# Altium PCB LimeSDR-X3_1v2.PcbDoc (part 13 of 25) (continued)
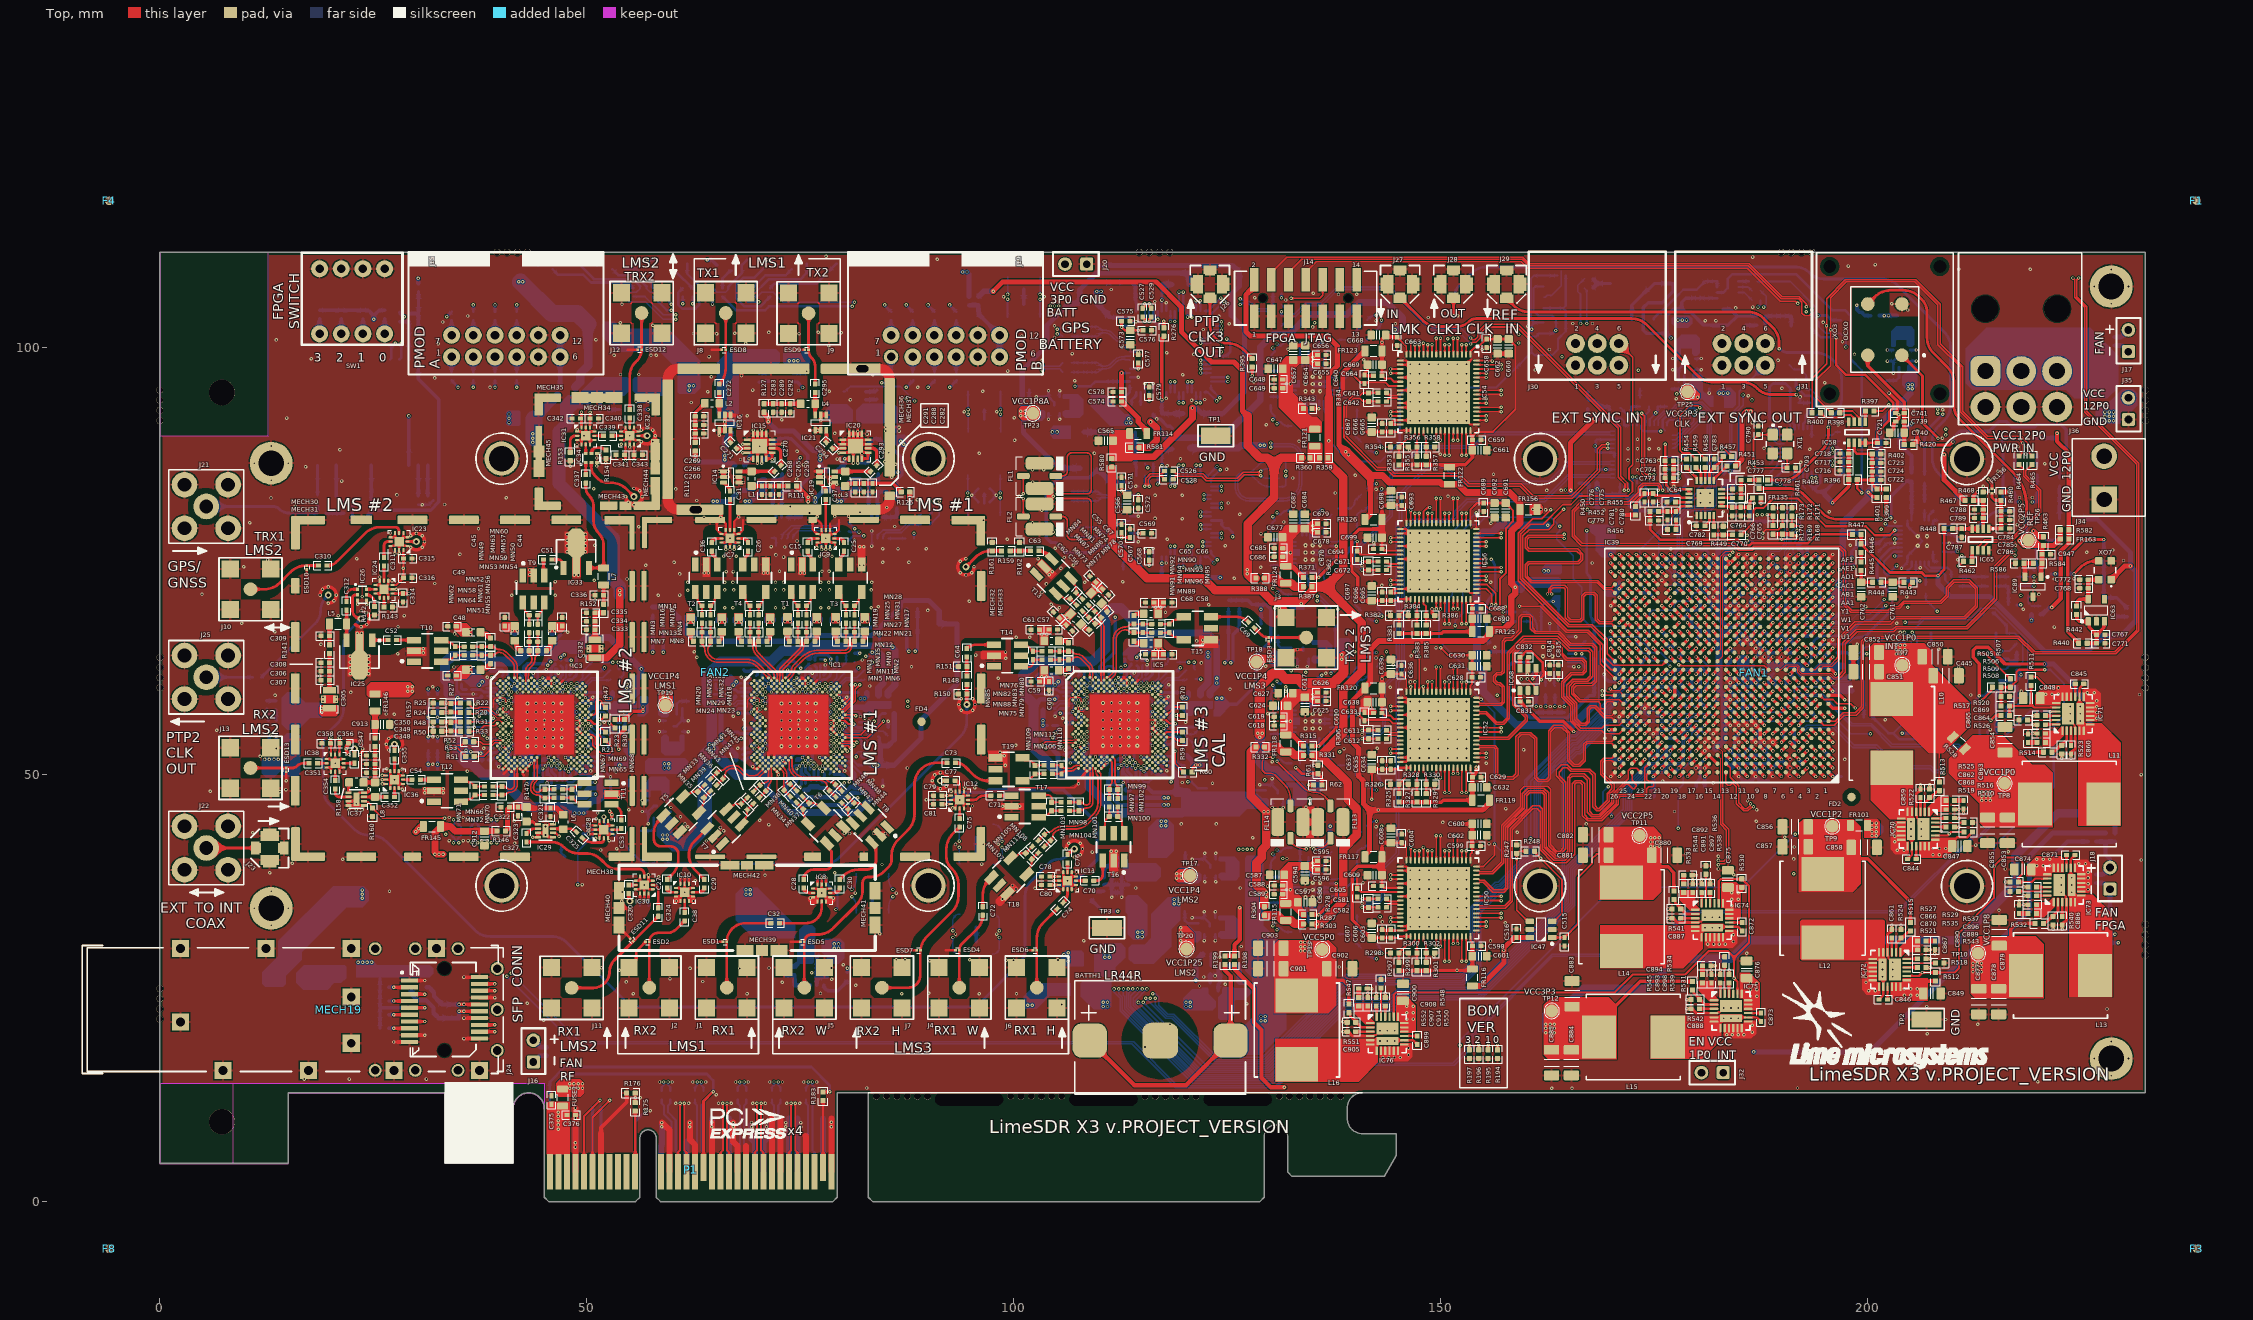
[diagram p0: Top view]
## Nets (pads, with @x,y where several pads share a name; then routed paths per layer and width w, separated by ;. In a path a pad name is that pad's centre, name@x,y a point inside that pad or via, vN(x,y) a via of type N, cw(c..) or ccw(c..) an arc to the next point about the centre after c; other vN are vias at no path point) (continued)
  Bottom w0.254: IC48.58@123.078,81.253 v1(124.303,81.253)
LMS2_BB_DAC1_B9_P: IC39.T2 IC48.57 | length 123.8
  Top w0.4: IC39.T2@194.375,65.275 v1(194.875,65.775)
  L4 w0.1: v1(124.303,81.753) 124.245,81.753 124.095,81.603 123.753,81.603 123.475,81.325 123.475,80.725 123.85,80.35 125.575,80.35 126.45,81.225 130.513,81.225 130.942,81.225 132.95,79.217 132.95,73.292 133.475,72.767 133.475,71.1 133.075,70.7 133.075,69.25 133.5,68.825 138.258,68.825 138.5,69.067 138.5,73.45 138.9,73.85 139.925,73.85 140.75,73.025 140.75,71.642 142.609,69.784 147.868,69.784 148.784,70.7 154.726,70.7 155.326,71.3 161.983,71.3 163.608,72.925 165.417,72.925 cw(c165.417,72.71) 165.632,72.71 165.632,70.728 ccw(c166.047,70.728) 166.047,70.313 166.117,70.313 ccw(c166.117,70.728) 166.532,70.728 166.532,72.71 cw(c166.747,72.71) 166.747,72.925 166.817,72.925 cw(c166.817,72.71) 167.032,72.71 167.032,72.128 ccw(c167.447,72.128) 167.447,71.713 167.517,71.713 ccw(c167.517,72.128) 167.932,72.128 167.932,72.71 cw(c168.147,72.71) 168.147,72.925 168.633,72.925 169.375,73.667 169.375,74.938 169.562,75.125 173.183,75.125 173.525,75.467 173.525,75.92 173.73,76.125 174.02,76.125 174.3,75.845 174.3,75.542 174.692,75.15 178.083,75.15 178.475,75.542 178.475,76.273 178.652,76.45 182.95,76.45 183.2,76.2 183.2,75.514 183.589,75.125 184.127,75.125 184.3,74.952 184.3,74.492 184.617,74.175 196.1,74.175 196.775,74.85 197.294,74.85 197.608,74.536 197.608,73.433 199.075,71.966 199.075,66.45 198,65.375 195.275,65.375 v1(194.875,65.775)
  Bottom w0.254: IC48.57@123.078,81.753 v1(124.303,81.753)
LMS2_BB_DAC1_B10_N: IC39.P1 IC48.56 | length 123.8
  Top w0.4: IC39.P1@195.375,63.275 v1(195.875,63.775)
  L4 w0.1: v1(122.253,82.253) 122.194,82.253 122.044,82.403 121.586,82.403 121.125,81.942 121.125,81.483 121.305,81.303 122.62,81.303 124.107,82.79 130.168,82.79 130.808,82.15 132.326,82.15 133.55,80.926 133.55,73.866 134.075,73.341 134.075,70.483 135.133,69.425 137.025,69.425 137.75,70.15 137.75,73.833 139.492,75.575 140.975,75.575 141.5,75.05 141.5,71.9 143,70.4 147.636,70.4 148.536,71.3 154.478,71.3 155.353,72.175 157.975,72.175 158.45,72.65 162.15,72.65 163.125,73.625 168.425,73.625 168.725,73.925 168.725,76.296 169.154,76.725 173.691,76.725 174.041,77.075 184.442,77.075 185.525,75.992 185.525,75.63 185.83,75.325 195.917,75.325 196.017,75.425 196.02,75.425 196.225,75.63 196.225,75.633 196.517,75.925 199.233,75.925 199.55,75.608 199.55,73 199.55,72.584 199.95,72.184 199.95,70.575 200.74,69.785 200.74,69.282 199.775,68.317 199.775,65.216 198.734,64.175 196.275,64.175 v1(195.875,63.775)
  Bottom w0.254: v1(122.253,82.253) IC48.56@123.078,82.253
LMS2_BB_DAC1_B10_P: IC39.R1 IC48.55 | length 123.8
  Top w0.4: IC39.R1@195.375,64.275 v1(195.875,64.775)
  L4 w0.1: v1(122.253,82.753) 122.194,82.753 122.044,82.603 121.503,82.603 120.925,82.025 120.925,81.4 121.222,81.103 122.703,81.103 124.19,82.59 130.085,82.59 130.725,81.95 132.243,81.95 133.35,80.843 133.35,73.783 133.875,73.258 133.875,70.4 135.05,69.225 137.108,69.225 137.95,70.067 137.95,73.75 139.575,75.375 140.892,75.375 141.3,74.967 141.3,71.817 142.917,70.2 147.719,70.2 148.619,71.1 154.561,71.1 155.436,71.975 158.058,71.975 158.533,72.45 162.233,72.45 163.208,73.425 168.508,73.425 168.925,73.842 168.925,76.213 169.237,76.525 173.774,76.525 174.124,76.875 184.359,76.875 185.325,75.909 185.325,75.547 185.747,75.125 196,75.125 196.1,75.225 196.103,75.225 196.425,75.547 196.425,75.55 196.6,75.725 199.15,75.725 199.35,75.525 199.35,72.917 199.35,72.501 199.75,72.101 199.75,70.492 200.54,69.702 200.54,69.365 199.575,68.4 199.575,65.299 198.651,64.375 196.275,64.375 v1(195.875,64.775)
  Bottom w0.254: v1(122.253,82.753) IC48.55@123.078,82.753
LMS2_BB_DAC1_B11_N: IC39.T3 IC48.54 | length 123.7
  Top w0.4: IC39.T3@193.375,65.275 v1(193.875,64.775)
  L4 w0.1: v1(124.303,83.253) 124.362,83.253 124.512,83.403 129.997,83.403 130.875,82.525 132.267,82.525 136.525,78.267 136.525,75.25 134.65,73.375 134.65,70.191 135.216,69.625 136.942,69.625 137.4,70.083 137.4,73.766 139.409,75.775 141.067,75.775 141.7,75.142 141.7,72.585 143.685,70.6 147.553,70.6 148.15,71.197 148.15,71.892 148.408,72.15 153.358,72.15 155.208,74 155.8,74 156.925,72.875 160.425,72.875 162.175,74.625 166.633,74.625 168.933,76.925 173.608,76.925 173.958,77.275 184.525,77.275 185.675,76.125 199.316,76.125 199.825,75.616 199.825,72.725 200.225,72.325 200.225,70.717 200.94,70.002 200.94,69.199 199.975,68.234 199.975,65.133 198.267,63.425 193.7,63.425 193.475,63.65 193.475,64.375 v1(193.875,64.775)
  Bottom w0.254: IC48.54@123.078,83.253 v1(124.303,83.253)
LMS2_BB_DAC1_B11_P: IC39.T4 IC48.53 | length 124.7
  Top w0.4: IC39.T4@192.375,65.275 v1(192.875,64.775)
  L4 w0.1: v1(124.303,83.753) 124.362,83.753 124.512,83.603 130.08,83.603 130.958,82.725 132.35,82.725 136.725,78.35 136.725,75.167 134.85,73.292 134.85,70.274 135.299,69.825 136.859,69.825 137.2,70.166 137.2,73.849 139.326,75.975 141.15,75.975 141.9,75.225 141.9,72.668 143.768,70.8 147.47,70.8 147.95,71.28 147.95,71.975 148.325,72.35 153.275,72.35 155.125,74.2 155.883,74.2 157.008,73.075 160.342,73.075 162.092,74.825 166.55,74.825 168.85,77.125 173.525,77.125 173.875,77.475 184.608,77.475 185.758,76.325 199.399,76.325 200.025,75.699 200.025,72.808 200.425,72.408 200.425,70.8 201.14,70.085 201.14,69.116 200.175,68.151 200.175,65.05 198.35,63.225 193.617,63.225 193.275,63.567 193.275,64.375 v1(192.875,64.775)
  Bottom w0.254: IC48.53@123.078,83.753 v1(124.303,83.753)
LMS2_BB_DAC1_B12_N: IC39.L4 IC48.52 | length 123.5
  Top w0.4: IC39.L4@192.375,60.275 v1(192.875,59.775)
  L4 w0.1: v1(124.153,85.703) 124.112,85.662 123.899,85.662 123.717,85.479 123.717,84.958 123.972,84.703 124.503,84.703 125.653,85.853 125.975,86.175 129.075,86.175 131.422,83.828 133.422,83.828 135.175,82.075 136.233,82.075 136.7,81.608 136.7,80.225 139.075,77.85 140.63,77.85 145.08,73.4 146.5,73.4 146.8,73.7 146.8,74.133 147.217,74.55 153.375,74.55 153.75,74.925 153.75,78.058 154.067,78.375 155.808,78.375 156.888,77.295 156.888,75.853 157.78,74.961 159.353,74.961 160.342,75.95 166.275,75.95 168.275,77.95 172.542,77.95 172.867,78.275 185.291,78.275 185.441,78.425 185.45,78.425 185.65,78.625 186.15,78.625 187.6,77.175 194.225,77.175 195.825,78.775 197.1,78.775 197.95,77.925 199.621,77.925 201,76.546 201,73.358 202.35,72.008 202.35,70.833 202.75,70.433 202.75,69.592 201.025,67.867 201.025,63.466 199.434,61.875 198.6,61.875 198.325,62.15 194.433,62.15 194.25,61.967 194.25,61.308 194.5,61.058 194.5,60.467 194.208,60.175 193.275,60.175 v1(192.875,59.775)
  Bottom w0.254: IC48.52@123.078,84.253 123.078,84.628 v1(124.153,85.703)
LMS2_BB_DAC1_B12_P: IC39.M4 IC48.51 | length 123.4
  Top w0.4: IC39.M4@192.375,61.275 v1(192.875,60.775)
  L4 w0.1: v1@123.799,86.057 123.758,86.015 123.758,85.803 123.517,85.562 123.517,85.169 123.517,84.875 123.889,84.503 124.586,84.503 124.827,84.744 126.058,85.975 128.992,85.975 131.339,83.628 133.339,83.628 135.092,81.875 136.15,81.875 136.5,81.525 136.5,80.142 138.992,77.65 140.547,77.65 144.997,73.2 146.583,73.2 147,73.617 147,74.05 147.3,74.35 153.458,74.35 153.95,74.842 153.95,77.975 154.15,78.175 155.725,78.175 156.688,77.212 156.688,75.77 157.697,74.761 159.436,74.761 160.425,75.75 166.358,75.75 168.358,77.75 172.625,77.75 172.95,78.075 185.374,78.075 185.524,78.225 185.533,78.225 185.733,78.425 186.067,78.425 187.517,76.975 194.308,76.975 195.908,78.575 197.017,78.575 197.867,77.725 199.538,77.725 200.8,76.463 200.8,73.275 202.15,71.925 202.15,70.75 202.55,70.35 202.55,69.675 200.825,67.95 200.825,63.549 199.351,62.075 198.683,62.075 198.408,62.35 194.35,62.35 194.05,62.05 194.05,61.225 194.3,60.975 194.3,60.791 194.3,60.55 194.125,60.375 193.275,60.375 v1(192.875,60.775)
  Bottom w0.254: IC48.51@122.328,85.003 122.703,85.003 v1(123.778,86.078)
LMS2_BB_DAC1_B13_N: IC39.J3 IC48.50 | length 123.7
  Top w0.4: IC39.J3@193.375,58.275 v1(193.875,58.775)
  L4 w0.1: v1(121.828,86.228) 121.828,86.17 121.678,86.02 121.678,85.525 121.903,85.3 122.425,85.3 122.625,85.5 122.625,86.608 123.089,87.072 131.331,87.072 136.536,87.072 141.05,82.558 141.05,81.842 140.125,80.917 140.125,79.725 140.4,79.45 142.352,79.45 143.027,78.775 144.308,78.775 145.258,77.825 146.491,77.825 146.8,78.134 146.8,79.283 147.192,79.675 150.65,79.675 152.375,81.4 156.983,81.4 160.633,77.75 162.35,77.75 163.325,78.725 165.625,78.725 166.075,79.175 172.07,79.175 172.895,80 199.724,80 202.475,77.249 202.475,74.117 203.875,72.717 203.875,71.55 204.175,71.25 204.175,69.025 202.375,67.225 202.375,62.575 199.475,59.675 196.8,59.675 196.3,59.175 194.275,59.175 v1(193.875,58.775)
  Bottom w0.254: IC48.50@121.828,85.003 v1(121.828,86.228)
LMS2_BB_DAC1_B13_P: IC39.K3 IC48.49 | length 123.4
  Top w0.4: IC39.K3@193.375,59.275 v1(193.875,59.775)
  L4 w0.1: v1(121.328,86.228) 121.328,86.17 121.478,86.02 121.478,85.442 121.82,85.1 122.508,85.1 122.825,85.417 122.825,85.592 122.825,86.525 123.172,86.872 131.331,86.872 136.453,86.872 140.85,82.475 140.85,81.925 139.925,81 139.925,79.642 140.317,79.25 142.269,79.25 142.944,78.575 144.225,78.575 145.175,77.625 146.574,77.625 147,78.051 147,79.2 147.275,79.475 150.733,79.475 152.458,81.2 156.9,81.2 160.55,77.55 162.433,77.55 163.408,78.525 165.708,78.525 166.158,78.975 172.153,78.975 172.978,79.8 199.641,79.8 202.275,77.166 202.275,74.034 203.675,72.634 203.675,71.467 203.975,71.167 203.975,69.108 202.175,67.308 202.175,62.658 199.392,59.875 196.717,59.875 196.217,59.375 194.275,59.375 v1(193.875,59.775)
  Bottom w0.254: IC48.49@121.328,85.003 v1(121.328,86.228)
LMS2_BB_DAC1_B14_N: IC39.J1 IC48.48 | length 124.9
  Top w0.4: IC39.J1@195.375,58.275 195.875,57.775 v1(197.275,57.775)
  L4 w0.1: v1(120.828,84.278) 120.828,84.219 120.678,84.069 120.678,83.678 120.175,83.175 119.617,83.175 119.2,83.592 119.2,84.808 120.525,86.133 120.525,86.325 120.525,86.69 121.306,87.472 121.672,87.472 136.778,87.472 141.7,82.55 141.7,81.708 143.508,79.9 146.575,79.9 146.875,80.2 149.125,80.2 150.925,82 174.558,82 175.308,81.25 181.967,81.25 182.142,81.425 200.783,81.425 203.058,79.15 203.369,79.15 204.45,78.069 204.45,76.433 205,75.883 205,72.6 205.8,71.8 205.8,71.784 205.8,68.9 205.8,64.766 199.209,58.175 197.675,58.175 v1(197.275,57.775)
  Bottom w0.254: v1(120.828,84.278) IC48.48@120.828,85.003 IC48.48@120.828,85.103
LMS2_BB_DAC1_B14_P: IC39.K1 IC48.47 | length 123.6
  Top w0.4: IC39.K1@195.375,59.275 196.775,59.275 v1(197.275,58.775)
  L4 w0.1: v1(120.328,84.278) 120.328,84.219 120.478,84.069 120.478,83.761 120.092,83.375 119.7,83.375 119.4,83.675 119.4,84.725 120.725,86.05 120.725,86.608 121.389,87.272 121.75,87.272 122.197,86.825 122.53,86.825 122.977,87.272 131.437,87.272 136.695,87.272 141.5,82.467 141.5,81.625 143.425,79.7 146.658,79.7 146.958,80 149.208,80 151.008,81.8 174.475,81.8 175.225,81.05 182.05,81.05 182.225,81.225 200.7,81.225 202.975,78.95 203.286,78.95 204.25,77.986 204.25,76.35 204.8,75.8 204.8,72.517 205.6,71.717 205.6,68.9 205.6,64.849 199.126,58.375 197.675,58.375 v1(197.275,58.775)
  Bottom w0.254: v1(120.328,84.278) IC48.47@120.328,85.103
LMS2_BB_DAC1_B15_N: IC39.H1 IC48.46 | length 124.3
  Top w0.4: IC39.H1@195.375,57.275 v1(195.875,56.775)
  L4 w0.1: v1(119.828,86.228) 119.828,86.17 119.678,86.02 119.678,85.678 119.4,85.4 118.8,85.4 118.425,85.775 118.425,86.925 119.372,87.872 137.861,87.872 139.808,85.925 144.208,85.925 146.808,83.325 160.75,83.325 161.575,82.5 201.025,82.5 201.208,82.5 204.85,78.858 204.85,76.708 205.6,75.958 205.6,72.566 206.2,71.966 206.2,71.95 206.2,64.6 198.775,57.175 196,57.175 195.875,57.05 v1(195.875,56.775)
  Bottom w0.254: IC48.46@119.828,85.003 v1(119.828,86.228)
LMS2_BB_DAC1_B15_P: IC39.H2 IC48.45 | length 124.6
  Top w0.4: IC39.H2@194.375,57.275 v1(194.875,56.775)
  L4 w0.1: v1(119.328,86.228) 119.328,86.17 119.478,86.02 119.478,85.761 119.317,85.6 118.883,85.6 118.625,85.858 118.625,86.842 119.455,87.672 137.778,87.672 139.725,85.725 144.125,85.725 146.725,83.125 160.667,83.125 161.492,82.3 201.125,82.3 204.65,78.775 204.65,76.625 205.4,75.875 205.4,72.483 206,71.883 206,71.867 206,64.683 198.692,57.375 195.78,57.375 195.23,57.925 195.025,57.925 194.875,57.775 v1(194.875,56.775)
  Bottom w0.254: IC48.45@119.328,85.003 v1(119.328,86.228)
LMS2_BB_DAC1_CLK_N: C526.2 R490.2 R491.2 | length 13.2
  Top w0.2: C526.2@118.65,85.564 118.993,85.221 122.129,85.221 122.65,84.7 126.151,84.7 126.851,85.4 128.784,85.4 v1(128.884,85.5)
  Bottom w0.2: v1(128.884,85.5) cw(c129.608,84.776) 129.608,85.8 R491.2@129.975,85.8 R490.2@131.075,85.8
LMS2_BB_DAC1_CLK_P: C528.2 R486.2 R489.2 | length 13.2
  Top w0.2: C528.2@118.65,84.577 118.993,84.921 122.005,84.921 122.526,84.4 126.275,84.4 126.975,85.1 128.784,85.1 v1(128.884,85)
  Bottom w0.2: v1(128.884,85) ccw(c129.608,85.724) 129.608,84.7 R489.2@129.975,84.7 R486.2@131.075,84.7
LMS2_BB_DAC1_PD: IC39.M26 IC48.40 | length 95.8
  Top w0.15: v1(159.2,69.725) 161.625,69.725 164.7,66.65 167.15,66.65 168.675,65.125 168.675,62.975 IC39.M26@170.375,61.275
  L8 w0.1: v1(116.828,84.028) 117.812,85.012 121.612,85.012 130.3,93.7 137.65,93.7 145.875,101.925 153.87,101.925 154.3,101.495 154.3,82.925 157.775,79.45 157.775,71.15 v1(159.2,69.725)
  Bottom w0.254: v1(116.828,84.028) IC48.40@116.828,85.003
LMS2_BB_DAC1_SELIQ_N: IC39.M5 IC48.44 | length 124.7
  Top w0.4: IC39.M5@191.375,61.275 v1(191.875,60.775)
  L4 w0.1: v1(118.828,83.778) 118.828,83.719 118.678,83.569 118.678,83.003 117.325,81.65 111.7,81.65 110.675,80.625 110.675,79.72 ccw(c110.845,79.72) 110.845,79.55 111.672,79.55 cw(c111.672,79.18) 112.042,79.18 112.042,79.12 cw(c111.672,79.12) 111.672,78.75 109.478,78.75 ccw(c109.478,78.58) 109.308,78.58 109.308,78.52 ccw(c109.478,78.52) 109.478,78.35 111.672,78.35 cw(c111.672,77.98) 112.042,77.98 112.042,77.92 cw(c111.672,77.92) 111.672,77.55 109.478,77.55 ccw(c109.478,77.38) 109.308,77.38 109.308,77.32 ccw(c109.478,77.32) 109.478,77.15 111.672,77.15 cw(c111.672,76.78) 112.042,76.78 112.042,76.72 cw(c111.672,76.72) 111.672,76.35 110.845,76.35 ccw(c110.845,76.18) 110.675,76.18 110.675,74.05 116.275,68.45 116.284,68.45 116.459,68.275 118.264,68.275 119.089,67.45 122.722,67.45 123.572,66.6 130.689,66.6 131.489,65.8 140.947,65.8 141.222,65.525 141.283,65.525 153.808,65.525 155.933,63.4 163.367,63.4 163.767,63.8 166.867,63.8 168.075,65.008 168.075,65.85 169.6,67.375 182.258,67.375 182.975,66.658 182.975,65.683 182.975,64.173 184.5,62.648 184.5,61.575 184.675,61.4 186.125,61.4 186.275,61.55 186.275,62.008 186.642,62.375 191.083,62.375 191.475,61.983 191.475,61.175 v1(191.875,60.775)
  Bottom w0.254: v1(118.828,83.778) IC48.44@118.828,85.003
LMS2_BB_DAC1_SELIQ_P: IC39.M6 IC48.43 | length 124.7
  Top w0.4: IC39.M6@190.375,61.275 v1(190.875,60.775)
  L4 w0.1: v1(118.328,83.778) 118.328,83.719 118.478,83.569 118.478,83.086 117.242,81.85 111.617,81.85 110.475,80.708 110.475,79.72 ccw(c110.845,79.72) 110.845,79.35 111.672,79.35 cw(c111.672,79.18) 111.842,79.18 111.842,79.12 cw(c111.672,79.12) 111.672,78.95 109.478,78.95 ccw(c109.478,78.58) 109.108,78.58 109.108,78.52 ccw(c109.478,78.52) 109.478,78.15 111.672,78.15 cw(c111.672,77.98) 111.842,77.98 111.842,77.92 cw(c111.672,77.92) 111.672,77.75 109.478,77.75 ccw(c109.478,77.38) 109.108,77.38 109.108,77.32 ccw(c109.478,77.32) 109.478,76.95 111.672,76.95 cw(c111.672,76.78) 111.842,76.78 111.842,76.72 cw(c111.672,76.72) 111.672,76.55 110.845,76.55 ccw(c110.845,76.18) 110.475,76.18 110.475,73.967 116.192,68.25 116.201,68.25 116.376,68.075 118.181,68.075 119.006,67.25 122.639,67.25 123.489,66.4 130.606,66.4 131.406,65.6 140.864,65.6 141.139,65.325 141.2,65.325 153.725,65.325 155.85,63.2 163.45,63.2 163.85,63.6 166.95,63.6 168.275,64.925 168.275,65.767 169.683,67.175 182.175,67.175 182.775,66.575 182.775,64.091 184.3,62.566 184.3,61.492 184.592,61.2 186.208,61.2 186.475,61.467 186.475,61.925 186.725,62.175 191,62.175 191.275,61.9 191.275,61.175 v1(190.875,60.775)
  Bottom w0.254: v1(118.328,83.778) IC48.43@118.328,85.003
LMS2_BB_DAC2_B0_N: IC39.D6 IC49.9 | length 197.1
  Top w0.4: v1(189.875,52.775) IC39.D6@190.375,53.275
  L4 w0.1: v1(118.328,96.003) 118.328,95.944 118.478,95.794 118.478,95.353 118.3,95.175 117.75,95.175 117.175,95.75 117.175,96.6 116.9,96.875 116.05,96.875 115.175,97.75 115.175,98.361 115.575,98.761 115.575,99.125 115.175,99.525 115.175,100.2 115.45,100.475 115.45,101.275 115.175,101.55 115.175,102.225 115.45,102.5 120.784,102.5 123.35,105.066 123.35,105.625 122.65,106.325 122.65,106.625 122.85,106.825 168.955,106.825 cw(c168.955,106.655) 169.125,106.655 169.125,105.825 ccw(c169.495,105.825) 169.495,105.455 169.555,105.455 ccw(c169.555,105.825) 169.925,105.825 169.925,106.655 cw(c170.095,106.655) 170.095,106.825 170.155,106.825 cw(c170.155,106.655) 170.325,106.655 170.325,105.825 ccw(c170.695,105.825) 170.695,105.455 170.755,105.455 ccw(c170.755,105.825) 171.125,105.825 171.125,106.655 cw(c171.295,106.655) 171.295,106.825 171.355,106.825 cw(c171.355,106.655) 171.525,106.655 171.525,105.825 ccw(c171.895,105.825) 171.895,105.455 171.955,105.455 ccw(c171.955,105.825) 172.325,105.825 172.325,106.655 cw(c172.495,106.655) 172.495,106.825 173.45,106.825 175.275,105 176.637,105 177.537,104.1 188.519,104.1 215.05,77.569 215.05,68.836 217.315,66.571 217.315,63.315 216.8,62.8 216.8,56.096 207.479,46.775 191.071,46.775 190.021,47.825 188.825,47.825 188.475,48.175 188.475,52.95 188.7,53.175 189.475,53.175 v1(189.875,52.775)
  Bottom w0.254: IC49.9@118.328,94.778 v1(118.328,96.003)
LMS2_BB_DAC2_B0_P: IC39.E6 IC49.8 | length 198.3
  Top w0.4: v1(189.875,53.775) IC39.E6@190.375,54.275
  L4 w0.1: v1(118.828,96.003) 118.828,95.944 118.678,95.794 118.678,95.27 118.383,94.975 117.667,94.975 114.975,97.667 114.975,102.308 115.367,102.7 120.701,102.7 123.15,105.149 123.15,105.542 122.45,106.242 122.45,106.708 122.767,107.025 168.955,107.025 cw(c168.955,106.655) 169.325,106.655 169.325,105.825 ccw(c169.495,105.825) 169.495,105.655 169.555,105.655 ccw(c169.555,105.825) 169.725,105.825 169.725,106.655 cw(c170.095,106.655) 170.095,107.025 170.155,107.025 cw(c170.155,106.655) 170.525,106.655 170.525,105.825 ccw(c170.695,105.825) 170.695,105.655 170.755,105.655 ccw(c170.755,105.825) 170.925,105.825 170.925,106.655 cw(c171.295,106.655) 171.295,107.025 171.355,107.025 cw(c171.355,106.655) 171.725,106.655 171.725,105.825 ccw(c171.895,105.825) 171.895,105.655 171.955,105.655 ccw(c171.955,105.825) 172.125,105.825 172.125,106.655 cw(c172.495,106.655) 172.495,107.025 173.533,107.025 175.358,105.2 176.72,105.2 177.62,104.3 188.602,104.3 215.25,77.652 215.25,68.919 217.515,66.654 217.515,63.232 217,62.717 217,56.013 207.562,46.575 190.988,46.575 189.938,47.625 188.742,47.625 188.275,48.092 188.275,49.275 188.275,53.033 188.617,53.375 189.475,53.375 v1(189.875,53.775)
  Bottom w0.254: IC49.8@118.828,94.778 v1(118.828,96.003)
LMS2_BB_DAC2_B1_N: IC39.G7 IC49.7 | length 197.6
  Top w0.4: IC39.G7@189.375,56.275 v1(189.875,55.775)
  L4 w0.1: v1(119.328,93.553) 119.328,93.611 119.478,93.761 119.478,94.097 119.025,94.55 119.025,95.2 119.5,95.675 120.161,95.675 120.661,95.175 121.5,95.175 121.975,95.65 125.279,95.65 126.458,95.65 126.8,95.308 126.8,92.642 126.458,92.3 122.95,92.3 121.825,91.175 118.275,91.175 117.6,90.5 117.6,89.966 118.391,89.175 123.175,89.175 124.45,90.45 139.525,90.45 140.575,89.4 145.034,89.4 145.375,89.059 145.375,87.441 147.616,85.2 148.034,85.2 ccw(c148.034,85.415) 148.249,85.415 148.249,87.801 cw(c148.664,87.801) 148.664,88.216 148.734,88.216 cw(c148.734,87.801) 149.149,87.801 149.149,85.415 ccw(c149.364,85.415) 149.364,85.2 149.434,85.2 ccw(c149.434,85.415) 149.649,85.415 149.649,86.703 cw(c150.064,86.703) 150.064,87.118 150.134,87.118 cw(c150.134,86.703) 150.549,86.703 150.549,85.415 ccw(c150.764,85.415) 150.764,85.2 150.834,85.2 ccw(c150.834,85.415) 151.049,85.415 151.049,86.833 cw(c151.464,86.833) 151.464,87.248 151.534,87.248 cw(c151.534,86.833) 151.949,86.833 151.949,85.415 ccw(c152.164,85.415) 152.164,85.2 152.234,85.2 ccw(c152.234,85.415) 152.449,85.415 152.449,86.635 cw(c152.864,86.635) 152.864,87.05 152.934,87.05 cw(c152.934,86.635) 153.349,86.635 153.349,85.415 ccw(c153.564,85.415) 153.564,85.2 153.634,85.2 ccw(c153.634,85.415) 153.849,85.415 153.849,87.801 cw(c154.264,87.801) 154.264,88.216 154.334,88.216 cw(c154.334,87.801) 154.749,87.801 154.749,85.415 ccw(c154.964,85.415) 154.964,85.2 155.342,85.2 155.825,85.683 155.825,87.908 156.417,88.5 159.125,88.5 159.325,88.7 159.325,90 159.725,90.4 160.359,90.4 160.725,90.034 160.725,89.575 160.975,89.325 162.35,89.325 162.525,89.5 162.525,90.09 162.835,90.4 163.558,90.4 164.025,89.933 164.025,85.5 164.225,85.3 165.559,85.3 167.366,85.3 168.866,86.8 170.217,86.8 170.767,87.35 171.192,87.775 191.224,87.775 191.624,87.375 198.508,87.375 208.25,77.633 208.25,76.1 209,75.35 209,62.392 205.483,58.875 204.858,58.875 204.45,58.467 204.45,56.817 202.208,54.575 201.217,54.575 200.617,55.175 199.908,55.175 199.308,54.575 198.667,54.575 198.092,55.15 197.675,55.15 197.1,54.575 196.57,54.575 195.995,55.15 194.575,55.15 193.95,55.775 192.525,55.775 192.125,56.175 190.275,56.175 v1(189.875,55.775)
  Bottom w0.254: v1(119.328,93.553) IC49.7@119.328,94.778
LMS2_BB_DAC2_B1_P: IC39.H7 IC49.6 | length 197.1
  Top w0.4: IC39.H7@189.375,57.275 v1(189.875,56.775)
  L4 w0.1: v1(119.828,93.553) 119.828,93.611 119.678,93.761 119.678,94.18 119.225,94.633 119.225,95.117 119.583,95.475 120.078,95.475 120.578,94.975 121.583,94.975 122.058,95.45 126.375,95.45 126.6,95.225 126.6,92.725 126.375,92.5 122.867,92.5 121.742,91.375 118.192,91.375 117.4,90.583 117.4,89.525 117.95,88.975 123.258,88.975 124.533,90.25 139.442,90.25 140.492,89.2 144.951,89.2 145.175,88.976 145.175,87.358 147.533,85 148.034,85 ccw(c148.034,85.415) 148.449,85.415 148.449,87.801 cw(c148.664,87.801) 148.664,88.016 148.734,88.016 cw(c148.734,87.801) 148.949,87.801 148.949,85.415 ccw(c149.364,85.415) 149.364,85 149.434,85 ccw(c149.434,85.415) 149.849,85.415 149.849,86.703 cw(c150.064,86.703) 150.064,86.918 150.134,86.918 cw(c150.134,86.703) 150.349,86.703 150.349,85.415 ccw(c150.764,85.415) 150.764,85 150.834,85 ccw(c150.834,85.415) 151.249,85.415 151.249,86.833 cw(c151.464,86.833) 151.464,87.048 151.534,87.048 cw(c151.534,86.833) 151.749,86.833 151.749,85.415 ccw(c152.164,85.415) 152.164,85 152.234,85 ccw(c152.234,85.415) 152.649,85.415 152.649,86.635 cw(c152.864,86.635) 152.864,86.85 152.934,86.85 cw(c152.934,86.635) 153.149,86.635 153.149,85.415 ccw(c153.564,85.415) 153.564,85 153.634,85 ccw(c153.634,85.415) 154.049,85.415 154.049,87.801 cw(c154.264,87.801) 154.264,88.016 154.334,88.016 cw(c154.334,87.801) 154.549,87.801 154.549,85.415 ccw(c154.964,85.415) 154.964,85 155.425,85 156.025,85.6 156.025,87.825 156.5,88.3 159.208,88.3 159.525,88.617 159.525,89.917 159.808,90.2 160.276,90.2 160.525,89.951 160.525,89.492 160.892,89.125 162.433,89.125 162.725,89.417 162.725,90.008 162.917,90.2 163.475,90.2 163.825,89.85 163.825,85.417 164.142,85.1 165.642,85.1 167.449,85.1 168.949,86.6 170.3,86.6 170.675,86.975 171.275,87.575 191.141,87.575 191.541,87.175 198.425,87.175 208.05,77.55 208.05,76.017 208.8,75.267 208.8,62.475 205.4,59.075 204.775,59.075 204.25,58.55 204.25,56.9 202.125,54.775 201.3,54.775 200.55,55.525 199.975,55.525 199.225,54.775 198.75,54.775 198.025,55.5 197.742,55.5 197.017,54.775 196.653,54.775 196.078,55.35 195.987,55.35 194.658,55.35 194.033,55.975 192.608,55.975 192.208,56.375 190.275,56.375 v1(189.875,56.775)
  Bottom w0.254: v1(119.828,93.553) IC49.6@119.828,94.778
LMS2_BB_DAC2_B2_N: IC39.E3 IC49.5 | length 198.4
  Top w0.4: v1(192.875,54.775) IC39.E3@193.375,54.275
  L4 w0.1: v1(120.328,96.003) 120.328,96.062 120.478,96.212 120.478,96.282 120.475,96.285 120.475,96.717 119.967,97.225 116.5,97.225 115.975,97.75 115.975,100.517 117.758,102.3 120.867,102.3 123.267,104.7 126.233,104.7 126.775,104.158 126.775,100.625 127,100.4 128.667,100.4 128.975,100.708 128.975,102.45 130,103.475 131.817,103.475 132.542,104.2 134.175,104.2 134.675,104.7 137.283,104.7 137.9,104.083 137.9,97.508 138.183,97.225 138.667,97.225 139.2,97.758 139.2,99.625 138.8,100.025 138.8,100.608 139.167,100.975 141.975,100.975 142.45,101.45 143.358,101.45 145.408,99.4 159.642,99.4 161.392,101.15 163.525,101.15 164.7,102.325 188.766,102.325 194.4,96.691 194.4,94.275 195.088,93.588 197.495,93.588 214.05,77.033 214.05,68.422 214.1,68.372 214.1,68.35 216.29,66.16 216.29,64.282 215.5,63.492 215.5,58.075 206.775,49.35 206.775,48.625 205.925,47.775 193.1,47.775 191.65,49.225 191.647,49.225 191.325,49.547 191.325,49.55 191.3,49.575 191.3,51.083 191.584,51.366 192.059,51.366 192.25,51.558 192.25,52.958 192.617,53.325 193.167,53.325 193.275,53.433 193.275,54.375 v1(192.875,54.775)
  Bottom w0.254: IC49.5@120.328,94.778 v1(120.328,96.003)
LMS2_BB_DAC2_B2_P: IC39.F3 IC49.4 | length 197.9
  Top w0.4: IC39.F3@193.375,55.275 v1(193.875,54.775)
  L4 w0.1: v1(120.828,96.003) 120.828,96.062 120.678,96.212 120.678,96.365 120.675,96.368 120.675,97.375 120.072,97.978 119.678,97.978 119.125,97.425 116.583,97.425 116.175,97.833 116.175,100.434 117.841,102.1 120.95,102.1 123.35,104.5 126.15,104.5 126.575,104.075 126.575,100.542 126.917,100.2 128.75,100.2 129.175,100.625 129.175,102.367 130.083,103.275 131.9,103.275 132.625,104 134.258,104 134.758,104.5 137.2,104.5 137.7,104 137.7,97.425 138.1,97.025 138.75,97.025 139.4,97.675 139.4,99.708 139,100.108 139,100.525 139.25,100.775 142.058,100.775 142.533,101.25 143.275,101.25 145.325,99.2 159.725,99.2 161.475,100.95 163.383,100.95 163.608,100.95 164.783,102.125 188.683,102.125 194.2,96.608 194.2,94.192 195.005,93.387 197.413,93.387 213.85,76.95 213.85,68.339 213.9,68.289 213.9,68.267 216.09,66.077 216.09,64.365 215.3,63.575 215.3,58.158 206.575,49.433 206.575,48.708 205.842,47.975 193.183,47.975 191.733,49.425 191.73,49.425 191.525,49.63 191.525,49.633 191.5,49.658 191.5,51 191.666,51.166 192.141,51.166 192.45,51.475 192.45,52.875 192.7,53.125 193.25,53.125 193.475,53.35 193.475,54.375 v1(193.875,54.775)
  Bottom w0.254: IC49.4@120.828,94.778 v1(120.828,96.003)